# Altium PCB OCP-TimeCardMini-TI_V1.PcbDoc (part 8 of 11) (continued)
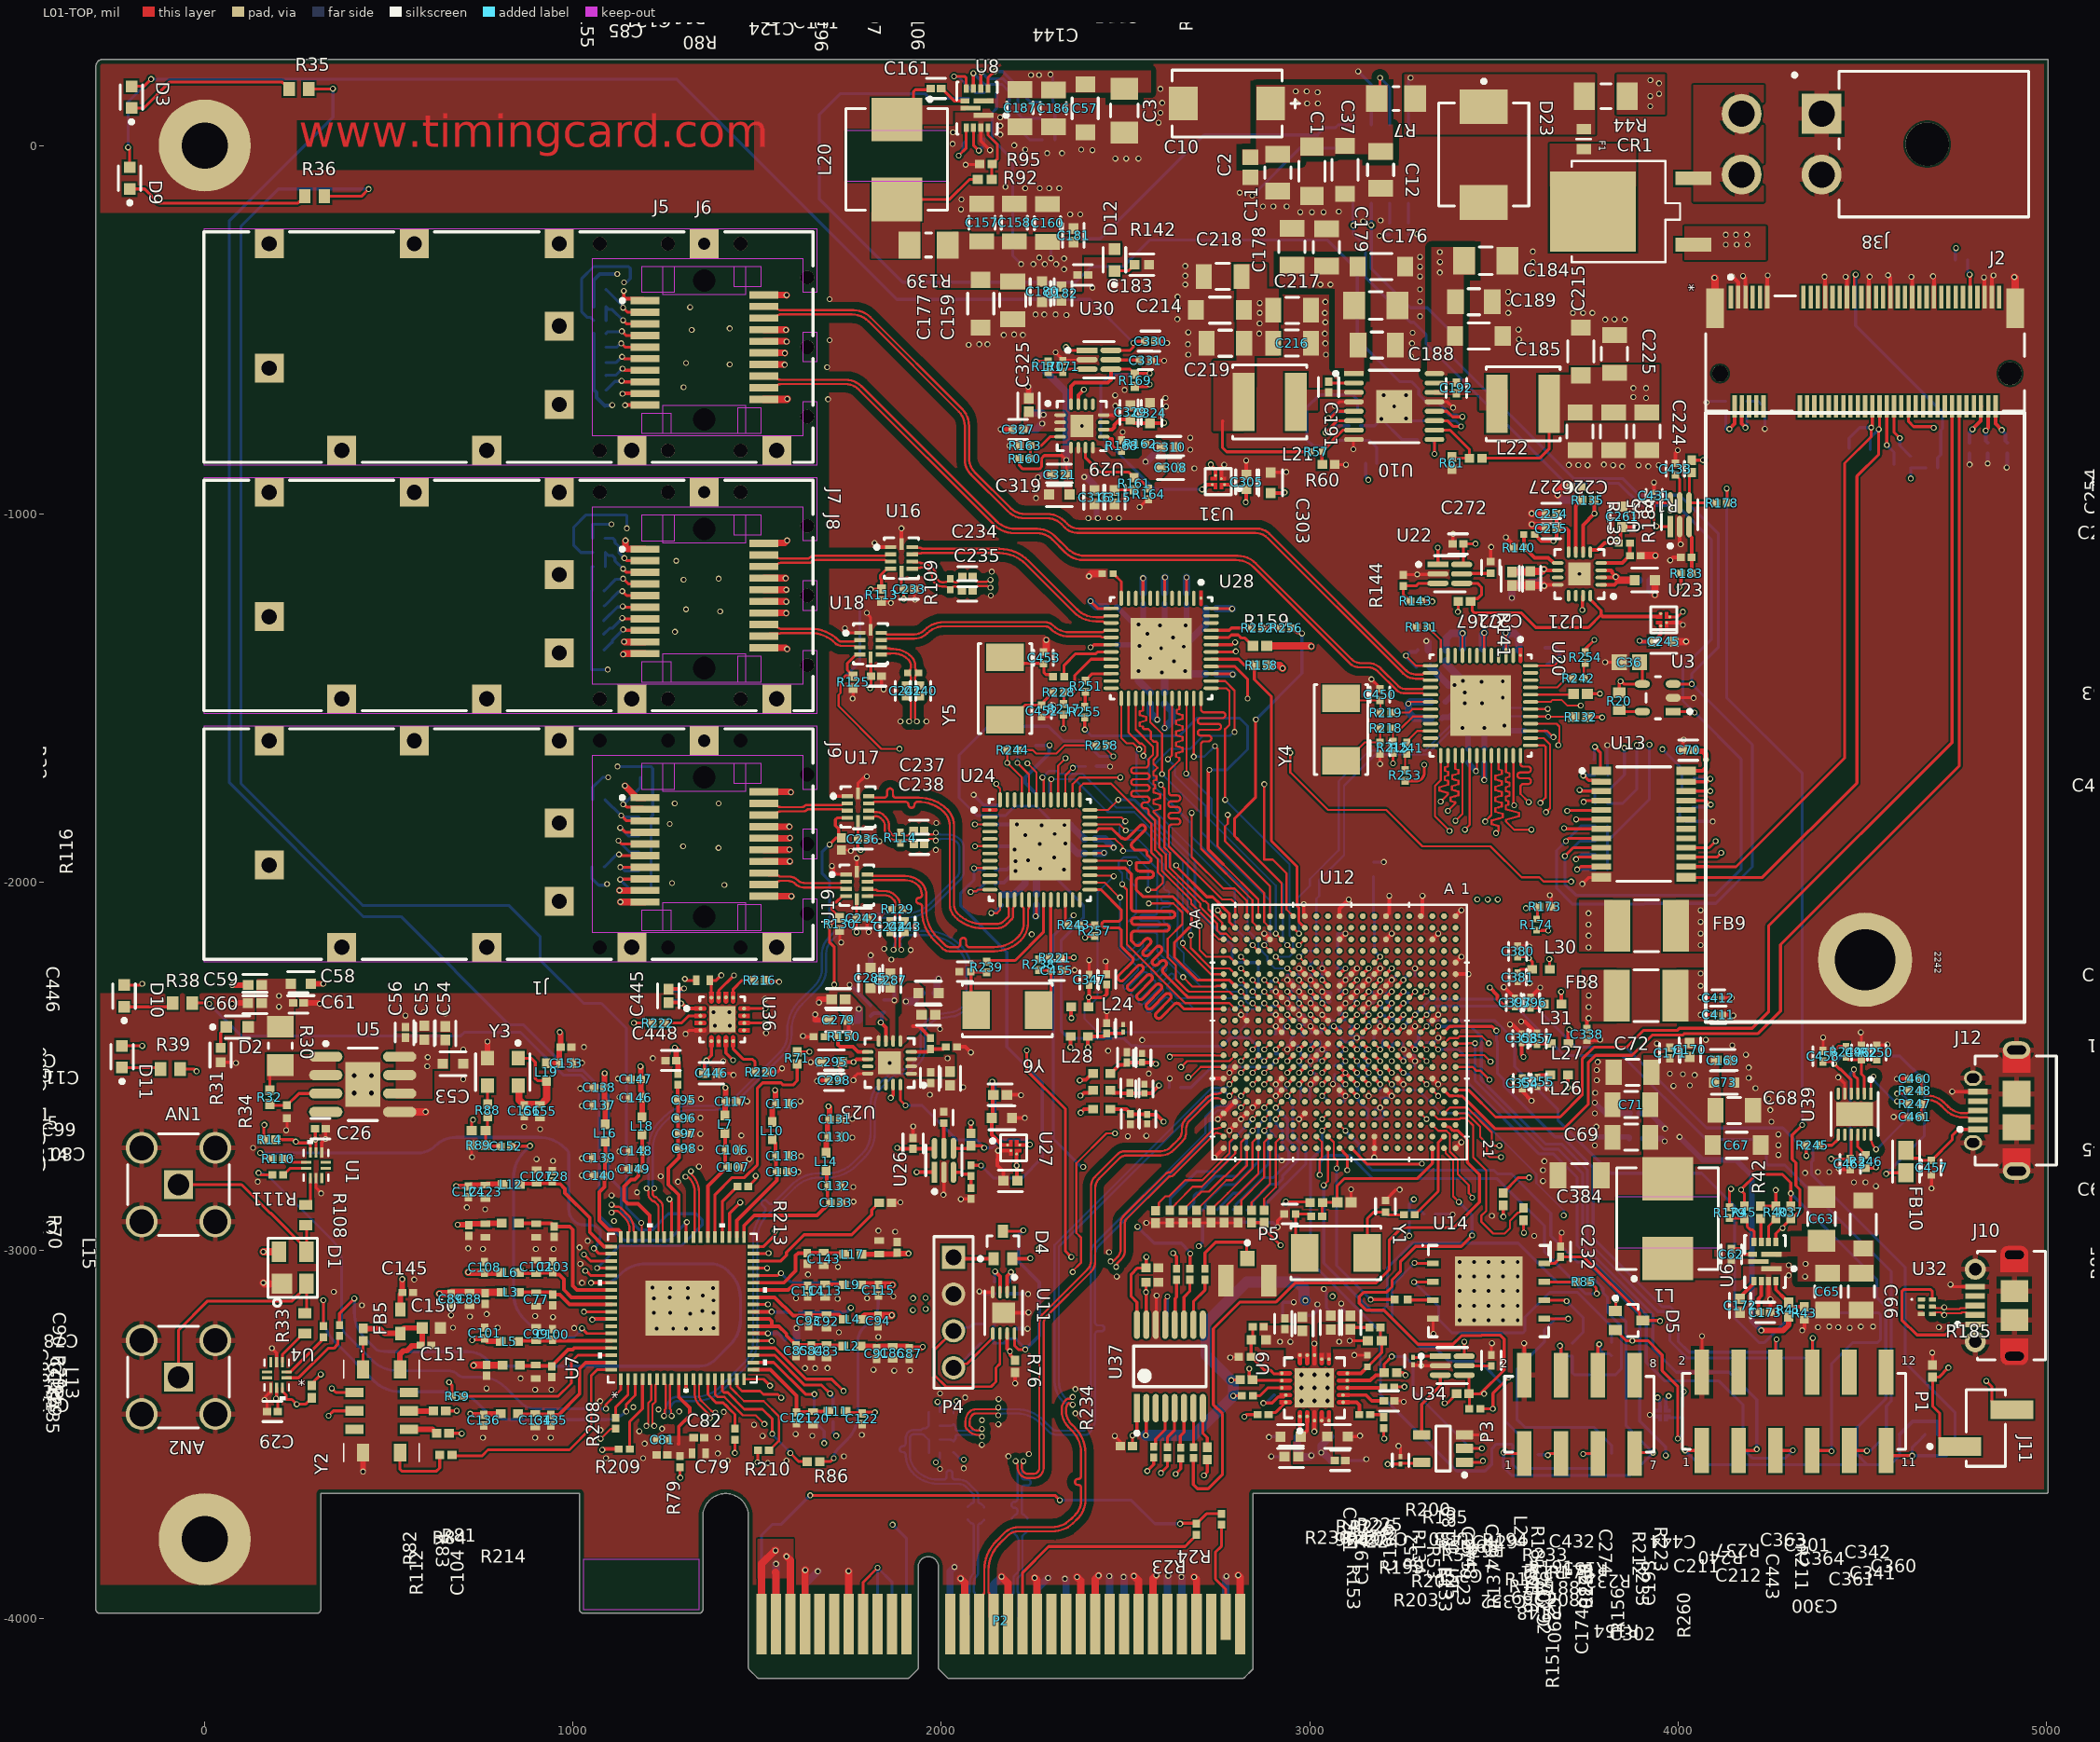
[diagram p0: L01-TOP view]
## Nets (pads, with @x,y where several pads share a name; then routed paths per layer and width w, separated by ;. In a path a pad name is that pad's centre, name@x,y a point inside that pad or via, vN(x,y) a via of type N, cw(c..) or ccw(c..) an arc to the next point about the centre after c; other vN are vias at no path point) (continued)
  L01-TOP w15: FB5.2@531.32,-3160.63 531.32,-3118.31 535.25,-3114.37 C145.2@536.57,-3114.37 536.57,-3077.99 v1(536.52,-3077.93) ; v1(682.53,-2825.33) ccw(c684.92,-2822.93) 684.92,-2826.32 C124.1@716.36,-2826.32 cw(c726.16,-2836.12) 726.16,-2822.26 C123.1@761.88,-2822.26 cw(c765.91,-2826.3) 765.91,-2820.59 L12.1@808.26,-2820.59 ; v1(686.69,-2930.01) 715.84,-2930.01 C110.1@717.54,-2931.71 717.54,-2930.48 720.13,-2927.89 C109.1@761.37,-2927.89 765.8,-2927.89 767.59,-2926.1 L8.1@806.27,-2926.1 ; v1(720.8,-3443.25) 723.93,-3446.37 C136.1@757.26,-3446.37 757.26,-3446.24 759.84,-3443.66 L15.1@803.24,-3443.66 ; v1(726.16,-3243.7) 731.45,-3238.41 C101.1@759.84,-3238.41 ; C101.1@766.99,-3246.92 L5.1@803.24,-3246.92 ; L19.1@928.12,-2491.98 928.47,-2491.64 962.22,-2491.64 C153.1@962.57,-2491.29 962.57,-2451 965.15,-2448.42 C154.1@966.39,-2448.42 966.39,-2409.7 v1(963.94,-2407.26) ; v1(1085.95,-2518.84) 1085.63,-2519.16 C138.1@1085.63,-2558.06 1085.63,-2590.64 1088.09,-2593.1 1088.09,-2604.41 C137.1@1089.45,-2605.77 1089.45,-2610.2 1087.13,-2612.51 L16.1@1087.13,-2657.32 ; v1(1183.1,-2500.28) 1184.31,-2501.49 C147.1@1184.31,-2534.96 1184.31,-2567.54 1186.77,-2570 1186.77,-2584.3 C146.1@1188.13,-2585.66 1187.84,-2585.95 1187.84,-2638.1 L18.1@1187.55,-2638.39 ; v1(1276.29,-2449.16) 1279.6,-2452.47 C448.1@1279.6,-2484.19 1280.96,-2484.19 1284.79,-2488.03 R80.1@1284.79,-2520.34 ; L7.1@1412.43,-2633.78 1413.42,-2632.78 1413.42,-2596.19 C117.1@1414.42,-2595.19 1414.42,-2559.12 v1(1413.64,-2558.35) ; L10.1@1540.76,-2651.14 1540.76,-2614.44 1549.22,-2605.97 C116.1@1549.22,-2601.54 1549.22,-2565.95 v1(1548.22,-2564.95) ; L14.1@1687.15,-2735.07 1687.15,-2700.05 1690.74,-2696.46 C130.1@1690.74,-2692.03 1690.74,-2647.96 1694.92,-2643.79 C131.1@1696.27,-2643.79 1696.27,-2611.8 v1(1693.23,-2608.76) ; L2.1@1780.77,-3259.89 1820.26,-3259.89 C91.1@1824.35,-3263.97 ; L17.1@1783.12,-3010.81 1783.48,-3010.45 1831.1,-3010.45 C141.1@1831.47,-3010.08 1877.44,-3010.08 1880.02,-3007.5 C142.1@1880.02,-3006.27 1882.08,-3008.33 v1(1910.87,-3008.33) ; C91.1@1824.35,-3265.33 C91.1@1824.35,-3263.97 ; v1(1949.51,-3261.62) 1945.81,-3265.33 C87.1@1913.16,-3265.33 1913.16,-3263.97 1909.2,-3260.02 C86.1@1867.63,-3260.02 1829.66,-3260.02 1828.29,-3261.39 1826.93,-3261.39 C91.1@1824.35,-3263.97 ; C70.1@4042.12,-1641.73 4044.7,-1644.31 4067.06,-1644.31 4075.65,-1652.91 4075.65,-1667.32 v1(4075.84,-1667.51)
  L01-TOP w20: v1(159.42,-3003.76) 159.53,-3003.87 D1.4@201.53,-3003.87 ; C267.1@3549.01,-1158.59 3550.24,-1157.36 3597.31,-1157.36 C271.1@3598.55,-1156.12 3630.09,-1156.12 v1(3635.71,-1150.5) ; v1(3830.81,-1170.91) 3839.62,-1179.72 C266.1@3882.45,-1179.72
  L08-SIG w8: v1(4061.16,-2360.34) 4038.32,-2383.18 4038.32,-2422.58 4171.28,-2555.55 v1(4171.28,-2835.1)
  L10-BOT w8: v3(-208.2,-5.02) -208.2,117.94 v3(-145.67,180.46) 1281.16,180.46 1879.44,-417.82 2403.12,-417.82 v1(2521.56,-536.26) ; R25.1@1050.84,-1958.74 1050.84,-1989.61 1069.77,-2008.54 1089.07,-2008.54 v3(1092.22,-2005.4) ; R10.1@1053.04,-1066.08 1053.04,-1028.26 v3(1104.12,-1028.26) ; R166.1@1054.11,-1143.13 1050.84,-1143.13 R11.1@1050.84,-1208.78 1050.17,-1208.78 R17.1@1050.17,-1369.51 1050.17,-1422.83 v3(1094.19,-1422.83) ; v3(1120.59,-1685.99) 1211.02,-1685.99 1216.42,-1691.39 R15.1@1216.42,-1715.4 1216.42,-1818.86 R1.1@1211.61,-1823.67 R19.1@1211.61,-1874.85 R21.1@1211.61,-1918.15 R26.1@1211.61,-1969.33 R27.1@1211.61,-2022.48 ; C105.1@1361.15,-2518.84 1361.64,-2518.35 1361.64,-2484.62 v1(1362.12,-2484.13) ; R106.1@1654.14,-3462.85 1681.89,-3490.59 v1(1681.89,-3523.37) ; R107.1@1705.99,-3464.12 1705.99,-3494.44 v1(1714.46,-3502.9) ; R94.1@2150.26,143.01 2150.26,101.23 2137.9,88.87 2137.9,16.99 2194.02,-39.13 2194.02,-299.57 v1(2216.37,-321.91) ; v1(2297.28,-306.1) 2297.28,-283.31 2327.28,-253.31 2431.25,-253.31 2713.48,28.92 C19.2@3022.21,28.92 3022.21,29.71 3040.73,48.23 C20.1@3069.11,48.23 3076.98,56.1 U2.5@3117.57,56.1 ; C451.1@2613.72,-3179.33 2613.81,-3179.24 2613.81,-3124.96 v1(2613.91,-3124.87) ; R196.1@2666.7,-2924.49 2667.35,-2923.85 R192.1@2709.31,-2923.85 2709.31,-2977.97 v1(2699.11,-2988.17) ; R120.2@3808.63,-1965.55 R117.2@3808.63,-1847.44 ; R118.2@3808.63,-1888.78 3922.41,-1775.01 v1(3922.41,-1626.88) ; R167.2@3808.63,-1786.42 3849.34,-1786.42 3888.02,-1747.74 v1(3888.02,-1627.67) ; v1(3944.48,-3399.06) 3950.78,-3405.36 3950.78,-3427.59 ; v1(3957.58,-1639.13) 4010.99,-1692.54 R123.2@4010.99,-1716.9 R124.2@4010.99,-1754 ; R105.1@4013.33,-3424.86 4013.33,-3387.88 4016.04,-3385.18 v1(4016.04,-3383.02) ; v1(4019.36,-3543.24) 4057.81,-3581.69 4514.2,-3581.69 ; C164.1@4129.49,-723.07 4129.49,-769.52 v1(4139.57,-769.52) ; v1(4183.07,-765.94) 4183.07,-763.78 4187.01,-759.84 C165.1@4187.01,-723.07 ; v1(4306.16,-2844.92) 4539.42,-3078.17 4539.42,-3126.85 4564.32,-3151.75 4564.32,-3402.55 4484.65,-3482.22 4484.65,-3552.13 4514.2,-3581.69 ; R67.1@4601.38,-3499.78 4601.38,-3557.28 4576.98,-3581.69 4514.2,-3581.69 ; R22.2@4752.95,-310.33 4752.95,-280.21 v1(4754.91,-278.26)
  L10-BOT w10: R3.1@1056.03,-510.28 1056.07,-510.31 1056.07,-663.55 R8.1@1056.1,-663.58 1057.09,-663.58 1063.9,-670.39 1063.9,-684.52 1086.06,-706.68 1086.87,-705.87 1105.24,-705.87 v3(1106.39,-704.72) ; R165.1@1056.03,-437.44 R2.1@1056.03,-391.18 1056.03,-364.84 1072.12,-348.74 v3(1120.08,-348.74) ; C447.1@1258.82,-2323.16 1285.61,-2323.16 1291.73,-2329.29 v1(1293.35,-2329.29) ; R58.2@1615.25,-3168.38 1741.55,-3168.38 v1(1754.1,-3155.83) ; C296.1@1719.77,-2488.44 C296.1@1719.77,-2488.44 v1(1761.63,-2488.36) v1(1761.63,-2488.36) ; R67.1@4601.38,-3499.78 4637.51,-3463.64 4702.56,-3463.64 4705.14,-3466.22 R68.1@4705.14,-3499.78 ; C166.1@4791.34,-807.46 4791.34,-780.19 4799.45,-772.08 v1(4799.45,-770.45) v1@4799.45,-768.83 ; v1@4835.35,-772.21 v1(4835.35,-773.83) 4835.35,-795.16 4835.47,-795.28 4835.47,-802.38 C167.1@4840.55,-807.46 ; v1@4879.24,-770.86 v1(4879.24,-772.48) 4879.24,-774.11 4888.62,-783.48 4888.62,-802.38 C168.1@4893.7,-807.46
  L10-BOT w20: C326.1@2212.95,-770.76 2257.82,-770.76 v1(2273.66,-754.92) ; C328.1@2238.97,-725.64 2272.24,-725.64 v1(2277.56,-730.96) ; C198.1@2966.59,-3505.43 2966.59,-3543.18 2968.02,-3544.61 2968.02,-3559.92 2968.11,-3560 C200.1@2969.46,-3560 2969.54,-3559.92 3001.33,-3559.92 v1(3004.4,-3556.84) ; C202.1@3057.22,-3505.36 3055.9,-3505.36 3031.54,-3529.73 v1(3031.54,-3548.72) 3036.33,-3548.72 3057.69,-3570.08 C203.1@3058.53,-3570.08 ; C268.1@3549.01,-1154.31 3598.4,-1154.31 3598.55,-1154.45 C269.1@3598.55,-1155.81 3630.4,-1155.81 v1(3635.71,-1150.5) ; v1(3830.81,-1170.91) 3839.62,-1179.72 C270.1@3895.62,-1179.72
  L10-BOT w30: v1(2555,-3502.05) 2685.45,-3502.05 v1(2792.72,-3394.79) 2792.72,-3358.07 v1(2786.97,-3352.32) 2718.26,-3283.61 2718.26,-3196.5 2828.83,-3085.92 2967.06,-3085.92 2984.64,-3103.5 2984.64,-3132.38 v1(2988.17,-3135.92)
  other v1: 1922.53,-3162.04 1957.59,-3159.07 1923.24,-3129.81 1957.01,-3128.99 3062.11,-3124.53 604.19,-2499.94 2016.86,-2478.35 605.28,-2475.29 4061.16,-2281.73 4061.16,-2248.3 2333.35,-335.82 2249.83,-321.91 2280.75,-321.91 2311.7,-321.91 2333.35,-306.62 2266.02,-304.1
  other v3: 1394.76,-1907.12 1395.35,-1786.19 1399.53,-1264.94 1395.26,-1175.87 1425.2,-594.49 1425.2,-496.4
P3V3_EEPROM: C76.1 D4.3 R74.1 R75.1 U11.8 | length 652.1
  L01-TOP w7.27: D4.3@2167.1,-2947.84 2220.11,-2947.84 v1(2222.58,-2945.37) ; U11.8@2198.45,-3225.52 2198.45,-3258.47 2209.47,-3269.49 2227.45,-3269.49 v1(2228.07,-3268.88)
  L10-BOT w7.27: R75.1@2145.69,-3199.7 2141.57,-3203.82 R74.1@2141.57,-3252.32 2168.92,-3252.32 2181.32,-3239.92 C76.1@2203.16,-3239.92 2203.16,-3241.27 2226.4,-3264.52 2226.4,-3267.21 v1(2228.07,-3268.88)
  L10-BOT w10: v1(2222.58,-2945.37) 2209.66,-2958.29 2209.66,-3030.83 2265.94,-3087.1 2265.94,-3231.01 v1(2228.07,-3268.88)
P3V3_EPR_HDR: D4.1 P4.1 | length 110.2
  L01-TOP w10: P4.1@2033.06,-3018.41 2037.3,-3022.65 D4.1@2141.51,-3022.65
P3V3_HDR: D5.1 P3.1 P3.7 | length 1075.6
  L01-TOP w8: v1(3526.61,-3548.52) 3529.27,-3551.18 P3.1@3582.28,-3551.18 ; D5.1@3829.94,-3164.62 3831.42,-3163.15 v1(3831.42,-3134.83) ; P3.7@3882.28,-3551.18 3884.27,-3549.19 v1(3932.38,-3549.19)
  L10-BOT w8: v1(3526.61,-3548.52) 3526.61,-3589.45 3548.1,-3610.93 3870.64,-3610.93 v1(3932.38,-3549.19) 3859.26,-3476.08 3859.26,-3252.64 3859.03,-3252.41 3859.03,-3238.33 3859.26,-3238.1 3859.26,-3193.84 3831.42,-3166 v1(3831.42,-3134.83)
P3V3_PCIE: P2.A9 P2.A10 P2.B8 | length 491
  L01-TOP w8: P2.B8@1787.4,-4014.27 1787.4,-3900.86 v1(1826.77,-3861.49)
  L10-BOT w8: P2.A9@1826.77,-4014.27 v1(1826.77,-3861.49) 1866.14,-3900.86 P2.A10@1866.14,-4014.27
P3V3_PG: R94.2 R175.1 R176.1 U8.6 | length 7761.6
  L01-TOP w8: v1(2034.46,187.84) 2062.9,187.84 2067.58,183.16 U8.6@2067.58,154.82 ; R176.1@3200.59,-3482.24 3200.59,-3508.79 v1(3202.57,-3510.78)
  L03-SIG w8: v1(2034.46,187.84) 2094.06,128.24 2436.84,128.24 2626.87,-61.79 3011.87,-61.79 3102.65,-152.56 3635.71,-152.56 3870.96,-387.81 4551.12,-387.81 4744.09,-580.78 4744.09,-896.61 4930.06,-1082.57 4930.06,-2268.04 4690.04,-2508.06 4690.04,-2661.6 4728.35,-2699.91 4728.35,-2901.57 4690.04,-2939.88 4690.04,-3243.41 4533.48,-3399.97 4533.48,-3436.72 4457.14,-3513.06 4025.5,-3513.06 4007.64,-3530.92 3979.88,-3530.92 3957.71,-3508.75 3533.48,-3508.75 3497.49,-3472.76 3240.59,-3472.76 v1(3202.57,-3510.78)
  L10-BOT w8: v1(2034.46,187.84) 2035.99,186.31 2046.91,186.31 2074.47,158.75 R175.1@2074.47,157.77 2074.47,156.79 2080.32,150.94 2085.17,150.94 2093.11,143.01 R94.2@2116.8,143.01
P3V3_PHY0: C245.1 C246.1 C247.1 C248.1 C249.1 R132.2 R133.2 U20.18 U20.30 U23.1 | length 1441.5
  L01-TOP w5.8: v1(3268.1,-1515.7) 3273.14,-1510.66 U20.18@3328.09,-1510.66 ; v1(3451.44,-1698.56) 3451.44,-1695.8 3454.1,-1693.15 U20.30@3454.1,-1656.36
  L01-TOP w8: R133.2@3753.9,-1489.36 3754.97,-1488.29 v1(3788.15,-1488.29) ; R132.2@3754.5,-1551.74 3792.91,-1551.74 v1(3794,-1552.83)
  L01-TOP w10: v1(3895.57,-1344.56) 3897.77,-1346.75 C245.1@3933.52,-1346.75 3953.21,-1327.07 U23.1@3953.21,-1304.23
  L05-PWR w25: v1(3268.1,-1515.7) 3450.96,-1698.56 v1(3451.44,-1698.56) ; v1@3451.44,-1696.97 3453,-1696.97 3480.36,-1669.61 3702.25,-1669.61 3723.16,-1648.7 3723.16,-1623.66 v1(3794,-1552.83) 3794,-1494.13 v1(3788.15,-1488.29) 3788.15,-1472.63 3895.57,-1365.2 v1(3895.57,-1344.56)
  L10-BOT w15: C246.1@3429.7,-1674.72 3435.44,-1680.46 3435.44,-1682.29 3451.44,-1698.29 v1(3451.44,-1698.56) ; v1(3895.57,-1344.56) 3895.84,-1344.56 3898.04,-1346.75 C249.1@3946.69,-1346.75
  L10-BOT w20: C248.1@3329.8,-1554.74 3283.39,-1554.74 3268.31,-1539.67 3268.31,-1515.92 v1(3268.1,-1515.7) 3273.14,-1510.66 C247.1@3330.06,-1510.66
P3V3_PHY1: C303.1 C304.1 C305.1 C306.1 C307.1 R158.2 R159.2 U28.18 U28.30 U31.1 | length 2139.3
  L01-TOP w5.8: v1(2586.1,-1559.08) 2586.49,-1558.7 2586.49,-1501.46 U28.30@2586.88,-1501.08
  L01-TOP w8: v1(2404.9,-1362.55) 2407.07,-1362.55 2414.23,-1355.39 U28.18@2460.87,-1355.39
  L01-TOP w10: U31.1@2768.75,-920.44 2792.92,-920.44 2799.92,-927.43 2823.26,-927.43 C305.1@2828.16,-932.34 2827.31,-933.19 2827.31,-967.69 v1(2826.47,-968.54) ; C303.1@2893.99,-943.28 2930.68,-943.28 v1(2932.01,-941.95)
  L01-TOP w20: R159.2@2883.44,-1358.34 3002.78,-1358.34 v1(3004.24,-1359.8) ; R158.2@2887.38,-1411.17 2918.27,-1411.17 v1(2926.25,-1419.15)
  L05-PWR w20: v1(2404.9,-1362.55) 2586.1,-1543.75 v1(2586.1,-1559.08) 2586.1,-1561.66 2569.85,-1577.91 2569.85,-1602.76 2587.43,-1620.34 2689.28,-1620.34 2727.52,-1658.57 2831.01,-1658.57 2926.25,-1563.34 v1(2926.25,-1419.15) 2944.89,-1419.15 v1(3004.24,-1359.8) 3023.62,-1340.42 3023.62,-1214.13 2826.47,-1016.97 v1(2826.47,-968.54) 2905.42,-968.54 v1(2932.01,-941.95)
  L10-BOT w8: v1(2404.9,-1362.55) 2407.07,-1362.55 2414.23,-1355.39 C307.1@2446.48,-1355.39
  L10-BOT w10: v1(2826.47,-968.54) 2827.31,-967.69 2827.31,-932.71 C304.1@2828.16,-931.87
  L10-BOT w20: C306.1@2567.19,-1515.47 2567.27,-1515.55 2567.27,-1540.25 v1(2586.1,-1559.08)
P3V3_PHY2: C274.1 C275.1 C276.1 C277.1 C278.1 R146.2 R147.2 U24.18 U24.30 U27.1 | length 1843.6
  L01-TOP w5.8: U24.30@2403.56,-1922.09 2404.26,-1921.4 2440.88,-1921.4 v1(2441.7,-1920.57)
  L01-TOP w8: v1(2256.01,-2092.31) 2256.01,-2090.15 2257.87,-2088.28 U24.18@2257.87,-2048.1
  L01-TOP w10: v1(2138.61,-2541.89) 2139.75,-2543.04 2139.75,-2575.63 C275.1@2141.47,-2577.35 2139.03,-2579.78 2139.03,-2637.64 C274.1@2136.6,-2640.07 2136.6,-2685.7 2164.39,-2713.49 U27.1@2179.91,-2713.49
  L05-PWR w20: v1(2256.01,-2092.31) 2269.96,-2092.31 v1(2441.7,-1920.57) 2419.51,-1898.38 2419.51,-1650.65 2397.31,-1628.45 v1(2293.64,-1628.45)
  L08-SIG w20: v1(2138.61,-2541.89) 2138.61,-2160.01 2206.3,-2092.31 v1(2256.01,-2092.31)
  L10-BOT w8: v1(2138.61,-2541.89) 2138.61,-2544.06 2145.32,-2550.77 C276.1@2145.32,-2639.63
  L10-BOT w10: R146.2@2255.53,-1756.97 2254.54,-1756.97 2227.86,-1730.29 2227.86,-1715.85 2292.49,-1651.23 2292.49,-1629.6 v1@2293.31,-1628.77 ; R147.2@2256.89,-1628.77 v1@2293.31,-1628.77 ; v1(2293.64,-1628.45) v1@2293.31,-1628.77
  L10-BOT w20: v1(2256.01,-2092.31) 2257.79,-2090.53 2257.79,-2062.57 C278.1@2257.87,-2062.49 ; C277.1@2417.96,-1922.09 2418.04,-1922.01 2440.27,-1922.01 v1(2441.7,-1920.57)
P3V3_SENSE: L20.2 R92.2 R139.1 | length 242.8
  L01-TOP w8: L20.2@1878.77,-146.19 2022.31,-146.19 2076.59,-91.92 R92.2@2099.12,-91.92
P3V3_SPI: C232.1 D5.3 U14.8 | length 401.2
  L01-TOP w8: U14.8@3637.13,-3035.4 3664.97,-3035.4 3681.15,-3019.22 C232.1@3681.15,-3017.86 3744.5,-3017.86 3895.75,-3169.12 3895.75,-3181.22 D5.3@3904.74,-3190.22 3949.65,-3190.22 v1(3951.15,-3191.72)
P3V3_SYS: D5.2 R105.2 U15.1 | length 511.2
  L01-TOP w8: D5.2@3829.94,-3215.81 3859.51,-3245.37 v1(3876.03,-3245.37) 3918.87,-3245.37 3956.93,-3283.43 3956.93,-3326.42 3999.04,-3368.53 3999.04,-3510.84 v1(3999.25,-3511.05)
  L10-BOT w8: U15.1@3966.9,-3459.41 3971.92,-3454.38 R105.2@4013.33,-3454.38 4013.33,-3496.97 v1(3999.25,-3511.05)
P12V: C1.1 C2.2 C3.1 C10.2 C11.1 C12.1 C37.1 C57.1 C63.1 C64.1 C65.1 C66.1 C175.1 C176.1 C178.1 C179.1 C184.1 C185.1 C186.1 C187.1 C188.1 C189.1 R7.2 R40.1 R42.1 R90.1 R91.1 R93.1 U2.7 U6.2 U8.2 U10.1 U10.16 | length 466.1
  L01-TOP w8: R7.2@3182.04,127.7 3191.04,136.69 v1(3191.04,183.76) ; R42.1@4224.33,-2879.97 R40.1@4265.67,-2879.97 4265.67,-2836.17 v1(4265.59,-2836.08)
  L10-BOT w8: v1(2296.39,193.01) 2296.39,190.84 2302.67,184.57 2302.67,119.5 R90.1@2304.34,117.84 2308.27,113.9 R91.1@2308.27,66.61 R93.1@2308.27,15.54 ; v1(3191.04,183.76) 3217.57,157.23 U2.7@3217.57,56.1
  other v1: 4345.28,-3071.03 4346.55,-3036.44 3029.4,-377.31 3056.31,-377.31 3353.45,-344.68 3353.65,-316.27 3353.45,-289.6 2993.05,114.17 3022.21,114.46 2962.35,117.42 3021.59,144.54 2962.35,146.94 2991.88,146.94 2243.53,191.48 2265.23,191.48
P12V_PCIE: CR1.1 P2.A2 P2.A3 P2.B1 P2.B2 P2.B3 R44.1 | length 896.8
  L01-TOP w20: P2.B1@1511.81,-4014.27 1511.81,-3850.8 1547.65,-3814.96 v1(1549.67,-3814.96) ; 1549.67,-3874.52 1551.18,-3876.03 P2.B2@1551.18,-4014.27 ; v1(1579.44,-3830.53) 1590.55,-3841.64 P2.B3@1590.55,-4014.27
  L10-BOT w20: P2.A2@1551.18,-4014.27 1551.18,-3851.01 v1(1551.42,-3850.77) ; v1(1579.44,-3830.53) 1590.55,-3841.64 P2.A3@1590.55,-4014.27
  other v1: 4129.49,-269.13 4159.45,-269.13 4188.98,-269.13 4129.49,-242.13 4157.48,-242.13 4187.01,-242.13 3924.64,106.47 3924.78,134.07 3948.85,140.6 3948.27,168.92 3925.06,177.37
P12V_SENS: D23.1 F1.2 R7.1 R44.2 U2.8 | length 130.3
  L10-BOT w8: U2.8@3267.57,56.1 3267.57,175.16 3274.01,181.6 v1(3274.01,183.76)
PCIE_GF_MCU_0_N: P2.B15 U12.Y15 | length 1952.5
  L01-TOP w6: P2.B15@2141.73,-4014.27 cw(c2168.29,-3987.71) 2130.73,-3987.71 2130.73,-3934.39 ccw(c2121.64,-3934.39) 2128.07,-3927.96 2128.07,-3867.9 cw(c2228.07,-3867.9) 2157.36,-3797.19 2179.74,-3774.8 cw(c2208.79,-3803.85) 2208.79,-3762.77 2305.06,-3762.77 ; 2305.1,-3762.77 2309.76,-3762.25 ccw(c2300.31,-3677.35) 2332.69,-3756.4 2343.58,-3751.95 ; 2343.61,-3751.92 2357.39,-3740.59 2370.59,-3727.39 ccw(c2321.58,-3678.3) 2370.69,-3727.29 2374,-3723.99 ; v1@2352.08,-3417.09 2351.82,-3416.83 ccw(c2345.58,-3423.07) 2345.58,-3414.25 ccw(c2362.48,-3431.15) 2338.58,-3431.15 2338.58,-3435.95 ccw(c2389.65,-3435.95) 2353.54,-3472.06 2362.42,-3480.94 cw(c2293.54,-3549.82) 2390.95,-3549.82 2390.95,-3678.42 2390.95,-3683.06 ; v1@2352.09,-3417.1 ccw(c2356.7,-3412.47) v1(2356.7,-3419) ; 2374.03,-3723.95 2376.85,-3720.22 ccw(c2321.58,-3678.3) 2390.32,-3687.63 2390.95,-3683.09 ; v2(2782.01,-2549.05) U12.Y15@2797.68,-2533.35
  L10-BOT w6: v1(2356.7,-3419) ccw(c2355.15,-3419) 2356.25,-3417.91 2352.58,-3414.25 2338.49,-3414.25 cw(c2338.49,-3402.99) 2330.53,-3410.95 2330.38,-3410.8 cw(c2385.83,-3355.35) 2307.41,-3355.35 2307.41,-2985.25 2733.6,-2559.05 2772,-2559.05 v2(2782.01,-2549.05)
PCIE_GF_MCU_0_P: P2.B14 U12.Y16 | length 1953
  L01-TOP w6: P2.B14@2102.36,-4014.27 2102.36,-3962.28 cw(c2142.23,-3962.28) 2114.04,-3934.09 ccw(c2107.91,-3927.96) 2116.58,-3927.96 2116.58,-3867.85 cw(c2227.96,-3867.85) 2149.2,-3789.09 2171.7,-3766.59 cw(c2208.66,-3803.55) 2208.66,-3751.28 2300.31,-3751.28 ccw(c2300.31,-3677.35) 2338.82,-3740.46 2352.59,-3729.11 ccw(c2348.77,-3724.48) 2353,-3728.74 2362.51,-3719.23 ccw(c2321.58,-3678.3) 2379.46,-3678.3 2379.46,-3647.5 2379.46,-3644.5 ccw(c2371.46,-3644.5) 2371.46,-3636.5 2370.82,-3636.5 cw(c2370.82,-3628.5) 2370.82,-3620.5 2371.46,-3620.5 ccw(c2371.46,-3612.5) 2379.46,-3612.5 2379.46,-3550.02 2379.46,-3549.82 ccw(c2293.54,-3549.82) 2354.28,-3489.05 2345.37,-3480.14 cw(c2389.51,-3436.01) 2327.09,-3436.01 2327.09,-3431.1 cw(c2362.37,-3431.1) 2337.42,-3406.16 2337.49,-3406.09 cw(c2345.53,-3414.13) 2345.53,-3402.76 ; 2345.58,-3402.76 ccw(c2345.58,-3393.94) 2351.82,-3400.18 v1@2352.08,-3399.92 ; v1@2352.09,-3399.91 cw(c2356.7,-3404.54) v1(2356.7,-3398) ; v2(2782.01,-2580.54) U12.Y16@2797.75,-2564.79
  L10-BOT w6: v1(2356.7,-3398) cw(c2355.15,-3398) 2356.24,-3399.1 2352.58,-3402.76 2338.58,-3402.76 cw(c2386.1,-3355.24) 2318.9,-3355.24 2318.9,-2990 2738.36,-2570.54 2772,-2570.54 v2(2782.01,-2580.54)
PCIE_MCU_GF_0_N: C47.2 U12.AA16 | length 1593.1
  L01-TOP w6: v1(2222.82,-3571.95) cw(c2216.28,-3571.95) 2220.9,-3576.57 ccw(c2227.76,-3583.43) 2218.06,-3583.43 2218.06,-3587.63 ccw(c2238.49,-3587.63) 2224.04,-3602.07 ccw(c2235.53,-3590.58) 2235.53,-3606.83 2249.43,-3606.83 ccw(c2249.43,-3590.07) 2261.28,-3601.92 2261.32,-3601.87 ccw(c2250.19,-3590.74) 2265.94,-3590.74 2265.94,-3194.41 cw(c2295.29,-3194.41) 2274.52,-3173.67 2396.86,-3051.33 ; 2396.87,-3051.32 ccw(c2374.14,-3028.61) 2406.27,-3028.61 2406.27,-2825.69 cw(c2442.16,-2825.69) 2416.77,-2800.32 2478.75,-2738.34 cw(c2497.19,-2756.78) 2497.19,-2730.7 2595,-2730.7 ccw(c2595,-2691.51) 2622.72,-2719.22 2643.97,-2697.97 ; 2643.99,-2697.96 ccw(c2622.32,-2676.32) 2652.94,-2676.32 2652.94,-2670.34 cw(c2696.41,-2670.34) 2665.67,-2639.61 2719.5,-2585.78 ; 2719.53,-2585.75 cw(c2745.86,-2612.14) 2745.86,-2574.86 2747.77,-2574.86 ccw(c2747.77,-2554.58) U12.AA16@2762.1,-2568.93 ; U12.AA16@2762.11,-2568.92 U12.AA16@2766.18,-2564.85
  L10-BOT w6: v1(2222.82,-3571.95) cw(c2216.28,-3571.95) 2220.91,-3576.56 2220.44,-3577.03 ccw(c2226.18,-3582.77) 2218.06,-3582.77 2218.06,-3598.43 2218.06,-3613.93 ccw(c2226.06,-3613.93) 2226.06,-3621.93 2234.61,-3621.93 cw(c2234.61,-3629.93) 2234.61,-3637.93 2226.06,-3637.93 ccw(c2226.06,-3645.93) 2218.06,-3645.93 2218.06,-3664.93 2218.06,-3709.75 ccw(c2227.49,-3709.75) 2220.82,-3716.42 ccw(c2222.64,-3714.6) 2222.64,-3717.17 cw(c2222.64,-3719.74) 2224.46,-3717.93 2232.75,-3726.21 cw(c2231.4,-3727.56) C47.2@2233.3,-3727.56
PCIE_MCU_GF_0_P: C46.2 U12.AA17 | length 1593.1
  L01-TOP w6: v1(2201.82,-3571.95) ccw(c2208.35,-3571.95) 2203.73,-3576.57 cw(c2196.87,-3583.43) 2206.57,-3583.43 2206.57,-3587.65 ccw(c2238.44,-3587.65) 2215.9,-3610.18 2215.99,-3610.26 ccw(c2235.44,-3590.82) 2235.44,-3618.32 2249.47,-3618.32 ccw(c2249.47,-3590.19) 2269.37,-3610.08 2269.48,-3609.97 ccw(c2250.3,-3590.79) 2277.43,-3590.79 2277.43,-3199.17 cw(c2306.78,-3199.17) 2286.02,-3178.41 2405.83,-3058.6 ; 2405.84,-3058.59 ccw(c2377.03,-3029.81) 2417.76,-3029.81 2417.76,-2830.45 cw(c2453.65,-2830.45) 2428.27,-2805.07 2483.51,-2749.83 cw(c2501.95,-2768.27) 2501.95,-2742.19 2595.05,-2742.19 ccw(c2595.05,-2691.62) 2630.81,-2727.38 2654.78,-2703.41 ccw(c2631.5,-2680.12) 2664.43,-2680.12 2664.43,-2670.45 cw(c2696.67,-2670.45) 2673.86,-2647.66 2727.58,-2593.95 cw(c2745.93,-2612.3) 2745.93,-2586.35 2747.77,-2586.35 cw(c2747.77,-2606.63) 2762.11,-2592.29 U12.AA17@2766.18,-2596.35
  L10-BOT w6: C46.2@2191.32,-3727.56 cw(c2193.23,-3727.56) 2191.88,-3726.22 2200.17,-3717.93 cw(c2201.99,-3719.74) 2201.99,-3717.17 ccw(c2201.99,-3714.6) 2203.81,-3716.42 ccw(c2197.14,-3709.75) 2206.57,-3709.75 2206.57,-3706.75 ccw(c2198.57,-3706.75) 2198.57,-3698.75 cw(c2198.57,-3690.75) 2198.57,-3682.75 ccw(c2198.57,-3674.75) 2206.57,-3674.75 2206.57,-3647.5 2206.57,-3582.77 ccw(c2198.45,-3582.77) 2204.19,-3577.03 2203.73,-3576.57 cw(c2208.35,-3571.95) v1(2201.82,-3571.95)
PCIE_PERST: J2.50 J2.67 P2.A11 R22.1 R59.1 R121.1 U20.43 U24.43 U28.43 U33.1 | length 16637
  L01-TOP w5: v1(2233.6,-1677.26) 2257.87,-1701.54 U24.43@2257.87,-1776.4 ; U20.43@3599.79,-1510.66 3653.92,-1510.66 3658.63,-1505.95 3684.76,-1505.95 3699.31,-1520.51 v1(3735.69,-1520.51)
  L01-TOP w8: v1(663.22,-3357.69) 671.23,-3365.7 R59.1@671.23,-3396.22 ; U28.43@2732.57,-1355.39 2788.97,-1355.39 2795.59,-1348.77 v1(2797.75,-1348.77) ; U33.1@3420.32,-3575.24 3466.3,-3575.24 v1(3470.26,-3571.29) ; J2.50@4625.98,-708.68 4625.98,-749.51 4639.76,-763.29 4691.44,-763.29 v1(4694.56,-766.4) ; v1(4792.03,-350.39) 4793.31,-351.67 J2.67@4793.31,-411.43
  L03-SIG w5: v1(3735.69,-1520.51) 3735.69,-1679.18 3723.16,-1691.7 3723.16,-1721.12 3717.14,-1727.15 3717.14,-1777.56 3744.89,-1805.31 3832.57,-1805.31 3854.43,-1783.45 v1(3854.43,-1635.18) 3854.43,-1493.45 3885.82,-1462.06 3885.82,-1413.11 3794,-1321.28 3794,-1126.29 3714.68,-1046.97 3714.68,-958.83 3659.79,-903.94 3659.79,-458.98 3698.34,-420.43 4508.94,-420.43 4618.81,-530.3 4618.81,-690.66 v1(4694.56,-766.4)
  L03-SIG w5.58: v1(2233.6,-1677.26) 2260.01,-1650.85 2309.59,-1650.85 2320.63,-1639.81 2404.99,-1639.81 2416.35,-1628.45 2482.06,-1628.45 2485.32,-1631.72 2485.32,-1666.16 2550.42,-1731.26 2550.42,-1982.63 2589.44,-2021.65 2627.18,-2021.65 2724.53,-1924.3 2724.53,-1807.63 2645.93,-1729.03 2645.93,-1659.43 2730.57,-1574.8 2730.57,-1379.78 2761.58,-1348.77 v1(2797.75,-1348.77)
  L03-SIG w8: v1(663.22,-3357.69) 721.83,-3357.69 787.4,-3423.26 1033.87,-3423.26 1083.91,-3473.3 1106.37,-3473.3 1111.06,-3477.98 1111.06,-3548.1 1173.89,-3610.93 1235.82,-3610.93 1280.39,-3566.36 1339.75,-3566.36 1373.7,-3600.31 1536.51,-3600.31 1680.69,-3744.49 v1(1867.63,-3744.49) 2526.07,-3744.49 2572.92,-3791.34 2672.38,-3791.34 2802.29,-3661.42 2802.29,-3598.61 2873,-3527.89 3178.19,-3527.89 3203.6,-3553.3 3326.85,-3553.3 3344.84,-3571.29 v1(3470.26,-3571.29)
  L08-SIG w5.58: v1(2233.6,-1677.26) 2233.6,-1628.49 2267.96,-1594.13 2296.35,-1594.13 2318.21,-1615.99 2346.61,-1615.99 2367.44,-1636.81 2476.73,-1636.81 2543.69,-1703.77 2562.22,-1703.77 2576.04,-1689.95 2658.14,-1689.95 2669.87,-1678.22 2713.74,-1678.22 2745.59,-1646.36 2776.06,-1646.36 2831.37,-1591.05 2865.74,-1591.05 2885.97,-1570.81 2885.97,-1483.31 2865.44,-1462.78 2474.72,-1462.78 2269.89,-1257.95 2269.89,-1217.31 ; v1(2797.75,-1348.77) 2833.94,-1384.96 2970.05,-1384.96 3004.24,-1419.15 3634.33,-1419.15 v1(3735.69,-1520.51)
  L08-SIG w8: v1(663.22,-3357.69) 558.22,-3357.69 418.63,-3497.29 186.26,-3497.29 114.17,-3425.2 114.17,-2938.36 204.16,-2848.38 204.16,-2550.95 348.26,-2406.84 775.05,-2406.84 1096.42,-2085.48 1173.89,-2085.48 1211.61,-2047.76 1211.61,-1605.18 1289.13,-1527.67 1343.59,-1527.67 1559.29,-1311.97 1655.55,-1311.97 1860.93,-1106.59 2159.16,-1106.59 2269.89,-1217.31 ; v1(4694.56,-766.4) 4792.03,-668.93 v1(4792.03,-350.39)
  L10-BOT w8: v1(1867.63,-3744.49) 1905.51,-3782.36 P2.A11@1905.51,-4014.27 ; R121.1@3809.62,-1752.95 3854.43,-1708.15 v1(3854.43,-1635.18) ; R22.1@4786.42,-310.33 4786.42,-342.62 4792.03,-348.23 v1(4792.03,-350.39)
PCIE_REFCLK_N: C45.2 R205.1 R259.1 | length 460.9
  L10-BOT w6: R205.1@1966.34,-3549.2 1966.34,-3515.44 ccw(c1963.64,-3515.44) R259.1@1965.55,-3513.53 cw(c1965.55,-3511.16) 1963.87,-3512.84 1953.54,-3502.51 ccw(c1944.9,-3511.15) 1944.9,-3498.93 1925.61,-3498.93 ccw(c1925.61,-3509.77) 1917.94,-3502.11 ccw(c1926.1,-3510.27) 1914.56,-3510.27 1914.56,-3553.74 ccw(c1977.75,-3553.74) 1933.07,-3598.43 ccw(c1990.27,-3541.23) 1981.16,-3621.6 ccw(c1990.27,-3541.23) 1984.16,-3621.89 1990.27,-3622.12 2005.88,-3622.12 ccw(c2005.88,-3614.12) 2013.88,-3614.12 2013.88,-3605.08 cw(c2021.88,-3605.08) 2029.88,-3605.08 2029.88,-3614.12 ccw(c2037.88,-3614.12) 2037.88,-3622.12 2047.44,-3622.12 2057.88,-3623.54 cw(c2047.44,-3661.04) 2060.88,-3624.51 cw(c2047.44,-3661.04) 2074.96,-3633.52 2095.47,-3654.03 cw(c2084.63,-3664.87) 2099.96,-3664.87 2099.96,-3680.01 ccw(c2108,-3680.01) 2102.32,-3685.69 ccw(c2105.12,-3682.89) 2105.12,-3686.86 cw(c2105.12,-3690.82) 2107.92,-3688.01 2115.8,-3695.9 cw(c2114.46,-3697.24) C45.2@2116.36,-3697.24
PCIE_REFCLK_P: C44.2 R73.1 R204.1 | length 460.9
  L10-BOT w6: 1895.07,-3547.66 cw(c1895.07,-3539.66) 1895.07,-3531.66 ccw(c1895.07,-3523.66) 1903.07,-3523.66 1903.07,-3510.22 cw(c1925.99,-3510.22) 1909.79,-3494.01 1909.88,-3493.92 cw(c1925.53,-3509.58) 1925.53,-3487.44 1944.9,-3487.44 1945.74,-3486.61 cw(c1953.92,-3494.79) 1953.92,-3483.22 ccw(c1953.92,-3471.65) 1962.09,-3479.84 R73.1@1965.55,-3476.38 1965.55,-3440.66 cw(c1968.26,-3440.66) R204.1@1966.34,-3438.75 ; 1895.1,-3547.66 cw(c1895.1,-3555.66) 1903.09,-3555.56 1903.1,-3555.66 ccw(c1977.57,-3553.82) 1903.23,-3558.66 ccw(c1977.57,-3553.82) 1924.89,-3606.49 1925.03,-3606.63 ccw(c1990.15,-3541.52) 1990.15,-3633.61 2047.31,-3633.61 cw(c2047.31,-3661.35) 2066.93,-3641.73 2087.31,-3662.11 cw(c2084.48,-3664.93) 2088.47,-3664.93 2088.47,-3679.78 cw(c2080.58,-3679.78) 2086.16,-3685.36 cw(c2083.26,-3682.45) 2083.26,-3686.56 ccw(c2083.26,-3690.67) 2080.35,-3687.77 2072.51,-3695.6 ccw(c2073.86,-3696.95) C44.2@2071.96,-3696.95
PHY0_GPIO0: R242.2 R254.1 | length 43.6
  L01-TOP w5.8: R242.2@3744.06,-1446.66 3744.06,-1409.13 R254.1@3748.38,-1404.81
PHY0_GPIO1: R241.2 R253.1 | length 46.5
  L01-TOP w5.8: R253.1@3259.13,-1695.45 3259.13,-1655.44 R241.2@3263.72,-1650.85
PHY1_GPIO0: R252.2 R256.1 | length 50
  L01-TOP w8: R252.2@2871.55,-1309.99 R256.1@2921.58,-1309.99
PHY1_GPIO1: R251.2 R255.1 | length 41.4
  L01-TOP w8: R255.1@2389.17,-1523.21 2390.3,-1522.09 2390.3,-1483.85 R251.2@2391.42,-1482.73
PHY2_GPIO0: R244.2 R258.1 | length 225.7
  L01-TOP w5.8: R244.2@2207.52,-1641.6 2248.24,-1641.6 2257.5,-1650.85 2312.02,-1650.85 2334.1,-1628.77 R258.1@2420.28,-1628.77
PHY2_GPIO1: R243.2 R257.1 | length 42.6
  L01-TOP w8: R243.2@2373.9,-2116.23 2374.33,-2116.66 2415.68,-2116.66 R257.1@2416.11,-2117.09
PHY_SFP0_1G_N: J6.19 U20.14 | length 2286.3
  L01-TOP w6: J6.19@1517.72,-437.01 1540.17,-437.01 cw(c1540.17,-454.08) J6.19@1552.23,-442 ; J6.19@1552.26,-442.02 ccw(c1564.32,-429.93) 1564.32,-447.01 1761.47,-447.01 cw(c1761.47,-511.6) 1807.14,-465.93 2055.76,-714.55 cw(c2008.99,-761.32) 2075.14,-761.32 2075.14,-848.43 ccw(c2131.04,-848.43) 2091.5,-887.94 2188.37,-984.82 ccw(c2226.2,-946.99) 2226.2,-1000.48 2287.81,-1000.48 cw(c2287.81,-1065.77) 2333.98,-1019.61 2340.97,-1026.6 ; 2340.98,-1026.61 ccw(c2373.67,-993.89) 2373.67,-1040.14 2856.79,-1040.14 cw(c2856.79,-1088.08) 2890.66,-1054.16 ; 2890.69,-1054.18 3261.87,-1425.37 ccw(c3287.59,-1399.64) 3287.59,-1436.02 3306.97,-1436.02 3311.06,-1431.92 U20.14@3328.09,-1431.92